# Altium PCB Main Board_V15.PcbDoc (part 5 of 5)
Units mm, origin at the board's own origin, x right, y up, seen from the top; angles counter-clockwise.
Board outline 180 x 140 mm, 2 copper layers (Top Layer, Bottom Layer); 280 components, 221 nets, 891 pads, 235 vias.
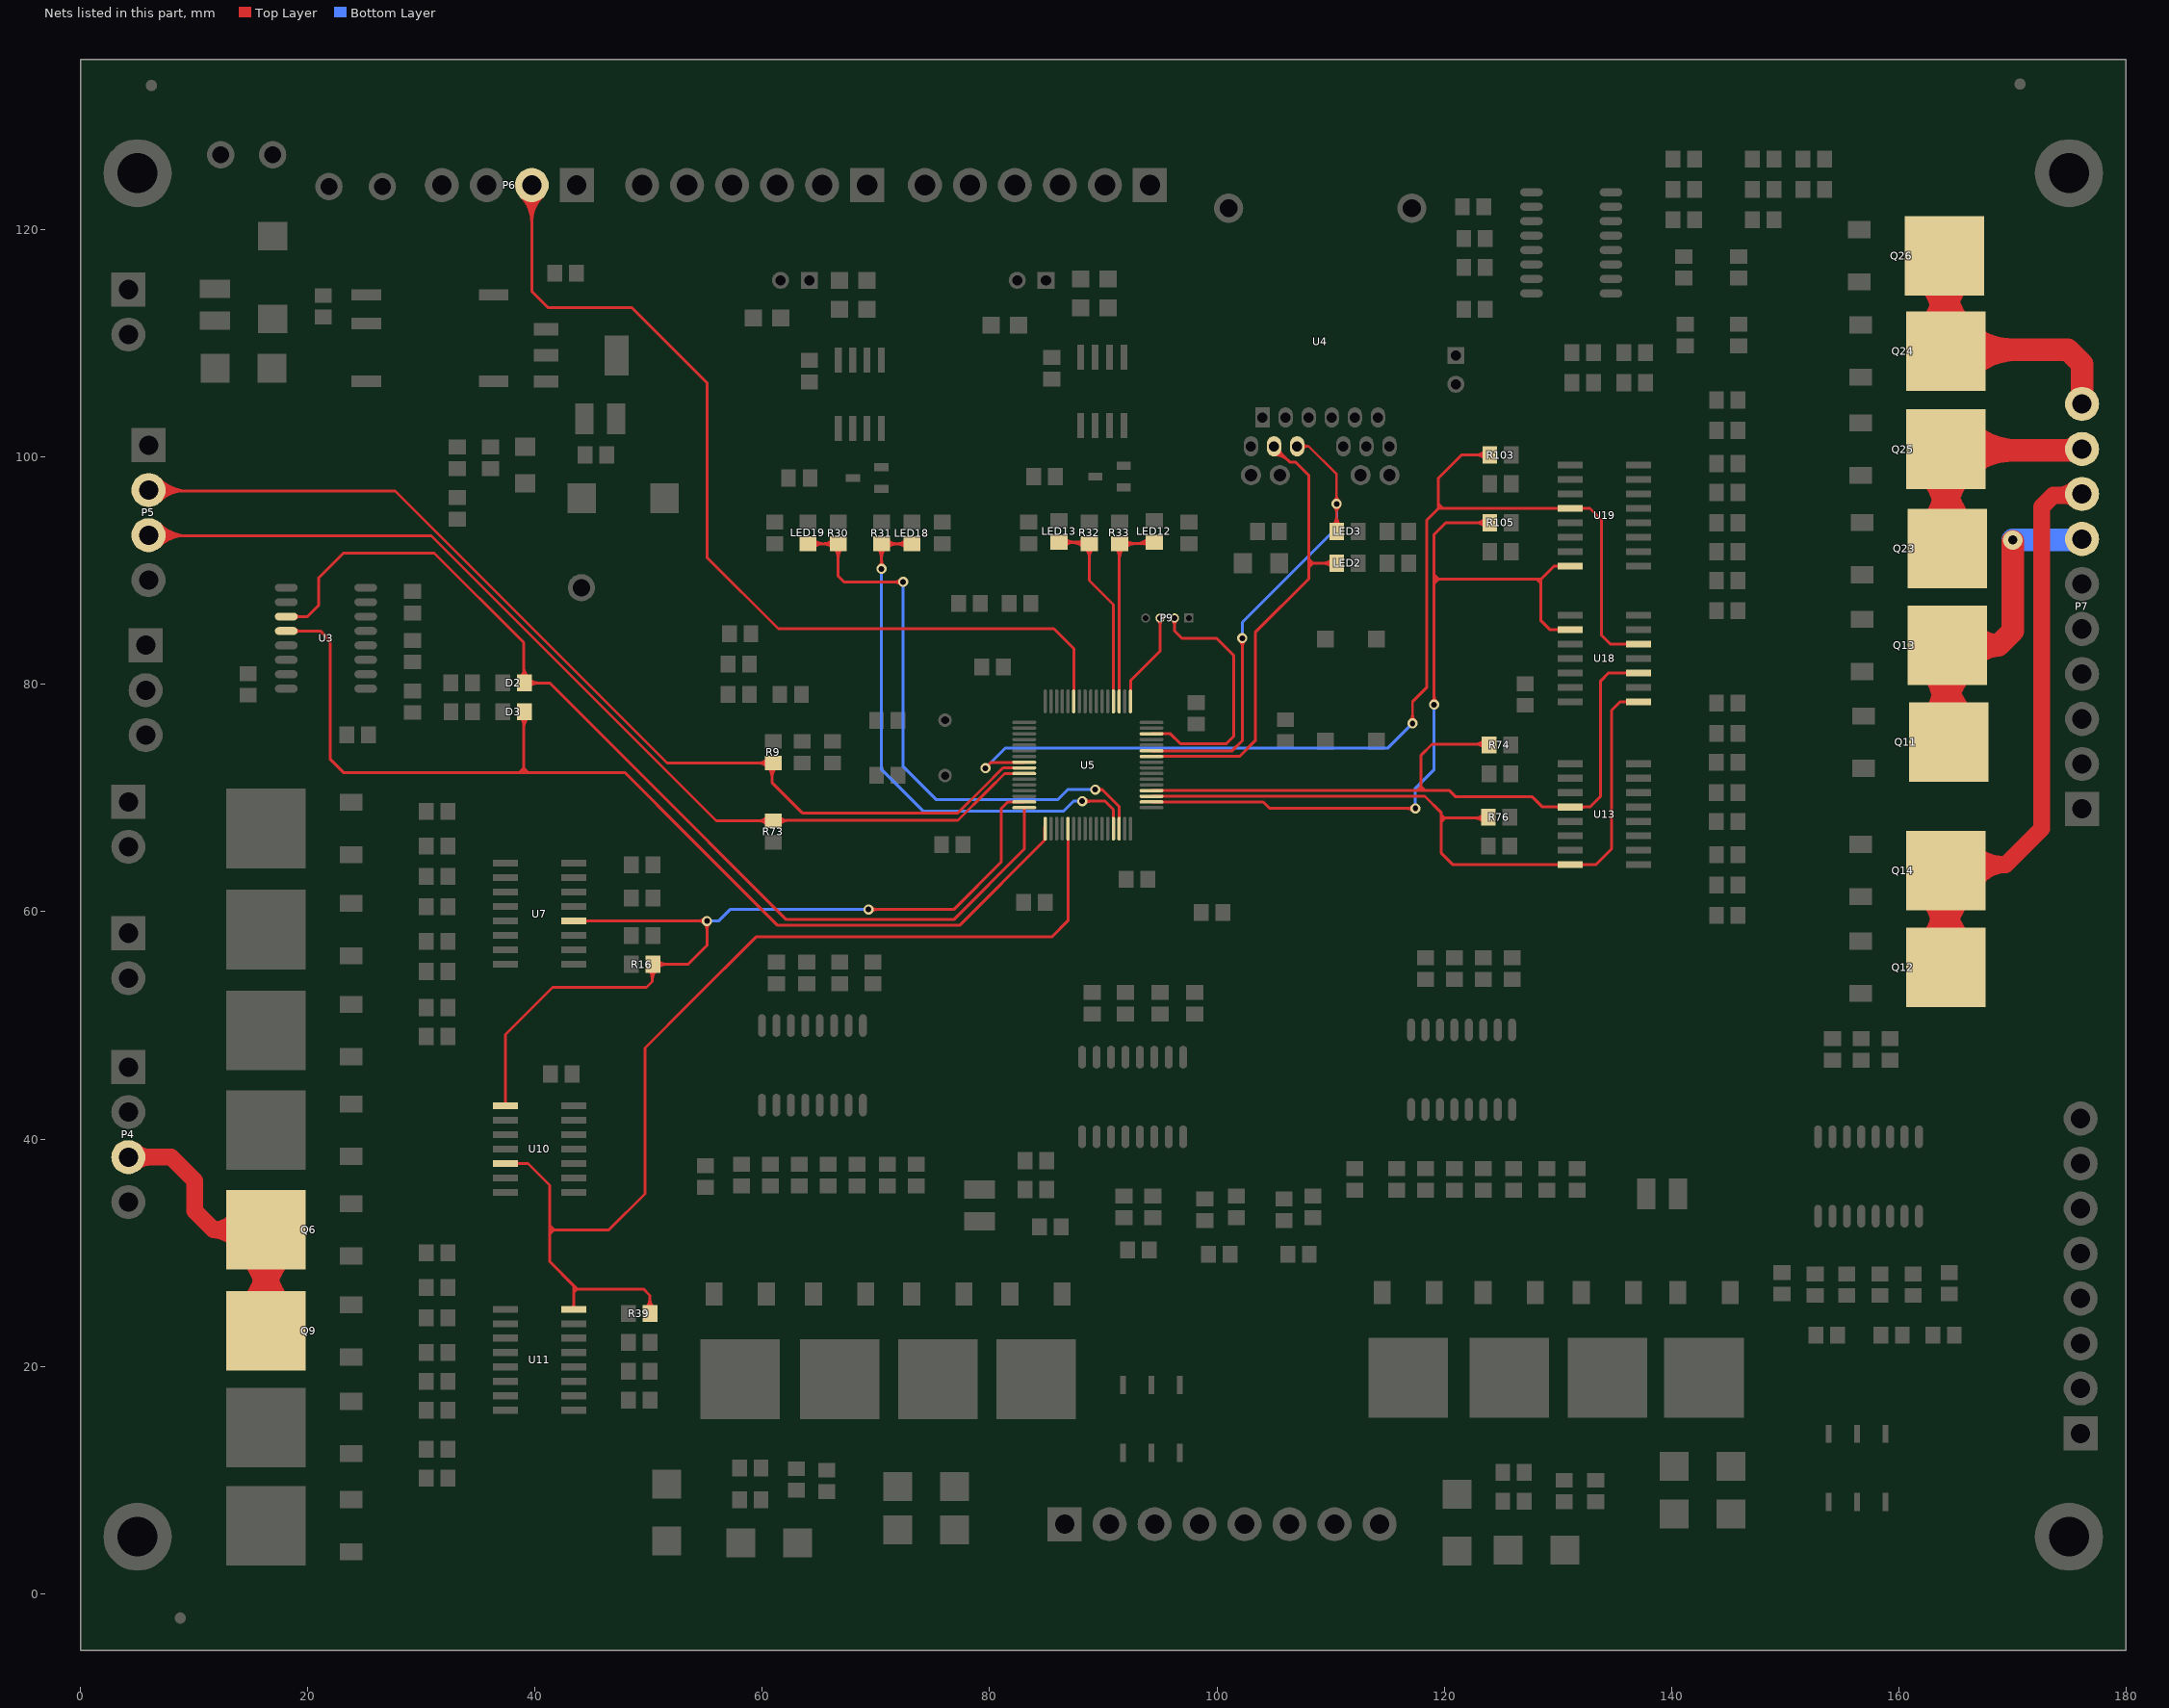
[diagram p5: the nets of this part, all layers, seen from the top]

## Via types
v1: diameter 0.889, hole 0.508, Top Layer to Bottom Layer, 97 vias
v2: diameter 1.7, hole 0.8, Top Layer to Bottom Layer, 84 vias
v3: diameter 1.2, hole 0.7, Top Layer to Bottom Layer, 34 vias
v4: diameter 1.2, hole 0.8, Top Layer to Bottom Layer, 11 vias
v5: diameter 1.4, hole 0.7, Top Layer to Bottom Layer, 5 vias
v6: diameter 1.4, hole 0.8, Top Layer to Bottom Layer, 2 vias
v7: diameter 3.4, hole 3.4, Top Layer to Bottom Layer, 2 vias

## Nets (pads, with @x,y where several pads share a name; then routed paths per layer and width w, separated by ;. In a path a pad name is that pad's centre, name@x,y a point inside that pad or via, vN(x,y) a via of type N, cw(c..) or ccw(c..) an arc to the next point about the centre after c; other vN are vias at no path point) (continued)
RUN1_OUT: R16.2 U5.15 U7.4 U10.1 | length 86.6
  Top Layer w0.254: U10.1@37.264,43.048 ccw(c36.968,43.344) 37.386,43.344 ccw(c37.804,43.344) U10.1@37.508,43.048 ; U10.1@37.386,42.926 37.386,49.197 41.529,53.34 49.784,53.34 50.292,53.848 50.292,55.311 R16.2@50.353,55.372 53.086,55.372 53.467,55.372 55.118,57.023 v1(55.118,59.182) 46.355,59.182 U7.4@43.386,59.182 ; U7.4@44.308,59.06 cw(c44.604,58.764) 44.604,59.182 cw(c44.604,59.6) U7.4@44.308,59.304 ; R16.2@49.983,54.902 cw(c49.238,54.157) 50.292,54.157 ; 50.292,53.862 cw(c51.763,53.862) R16.2@50.723,54.902 ; 50.292,54.475 cw(c51.15,54.475) R16.2@50.543,55.082 ; R16.2@50.723,55.002 cw(c51.616,54.109) 51.616,55.372 cw(c51.616,56.635) R16.2@50.723,55.742 ; v1@54.893,59.407 cw(c54.351,59.949) 54.351,59.182 cw(c54.351,58.415) 54.893,58.957 cw(c54.351,58.415) 55.118,58.415 cw(c55.885,58.415) v1@55.343,58.957 ; v1(69.342,60.198) 76.835,60.198 81.026,64.389 81.026,67.818 81.026,69.088 81.6,69.662 81.971,69.662 U5.15@83.046,69.662 ; v1@69.567,59.973 cw(c70.109,59.431) 70.109,60.198 cw(c70.109,60.965) v1@69.567,60.423
  Bottom Layer w0.254: v1(55.118,59.182) 56.134,59.182 56.388,59.436 57.15,60.198 v1(69.342,60.198)
RUN2: P4.3 Q6.2 Q9.2 | length 54.3
  Top Layer w1.5: P4.3@4.191,38.406 7.949,38.406 10.033,36.322 10.033,33.655 11.684,32.004 ; P4.3@4.721,37.876 cw(c6.002,36.595) 6.002,38.406 cw(c6.002,40.217) P4.3@4.721,38.936 ; Q6.2@13.902,30.687 ccw(c11.684,29.478) 11.684,32.004 ; Q6.2@13.902,33.321 cw(c11.684,34.53) 11.684,32.004 ; Q9.2@14.371,25.059 ccw(c9.677,29.753) 16.316,29.753 ccw(c22.955,29.753) Q9.2@18.261,25.059 ; Q6.2@14.371,30.059 cw(c9.677,25.365) 16.316,25.365 cw(c22.955,25.365) Q6.2@18.261,30.059 ; Q9.2@16.316,23.114 Q6.2@16.316,32.004 11.684,32.004
RUN2_OUT: R39.2 U5.21 U10.5 U11.8 | length 102.8
  Top Layer w0.254: U10.5@37.386,37.846 39.37,37.846 41.275,35.941 41.275,29.21 43.386,27.099 ; U10.5@38.308,37.724 cw(c38.604,37.428) 38.604,37.846 cw(c38.604,38.264) U10.5@38.308,37.968 ; 41.275,31.623 41.656,32.004 ; 41.275,32.004 41.656,32.004 ; 41.275,32.385 41.656,32.004 ; U11.8@43.264,25.141 ccw(c42.968,25.437) 43.386,25.437 ccw(c43.804,25.437) U11.8@43.508,25.141 ; U11.8@43.386,25.019 43.386,27.099 ; 43.386,26.416 43.386,26.495 43.688,26.797 ; 43.386,26.797 43.688,26.797 ; 43.64,26.797 43.688,26.797 ; 43.64,26.845 43.386,27.099 ; R39.2@49.729,25.108 ccw(c48.836,26.001) 50.099,26.001 ccw(c51.362,26.001) R39.2@50.469,25.108 ; R39.2@50.099,24.638 50.099,26.228 49.53,26.797 43.688,26.797 ; U5.21@86.896,67.312 86.896,59.21 85.471,57.785 59.436,57.785 53.721,52.07 49.657,48.006 49.657,35.179 46.482,32.004 41.656,32.004
SCK: P6.2 U5.59 | length 96.5
  Top Layer w0.254: P6.2@38.728,122.981 cw(c36.384,120.637) 39.699,120.637 cw(c43.014,120.637) P6.2@40.67,122.981 ; P6.2@38.908,123.161 cw(c36.997,121.25) 39.699,121.25 cw(c42.401,121.25) P6.2@40.49,123.161 ; P6.2@39.087,123.34 cw(c37.611,121.864) 39.699,121.864 cw(c41.787,121.864) P6.2@40.311,123.34 ; P6.2@39.699,123.952 39.699,114.606 41.148,113.157 48.514,113.157 55.118,106.553 55.118,91.186 61.395,84.909 74.61,84.909 85.598,84.909 85.652,84.909 87.396,83.165 U5.59@87.396,78.512
SPARE1_24V/3A: R74.2 U5.36 U13.4 U18.3 | length 69.4
  Top Layer w0.254: U5.36@94.246,70.662 114.858,70.662 120.473,70.662 121.031,70.104 127.762,70.104 128.651,69.215 U13.4@131.112,69.215 132.842,69.215 133.785,70.158 133.785,80.318 134.493,81.026 U18.3@137.112,81.026 ; 117.602,70.662 117.652,70.662 117.983,70.993 ; 117.983,70.662 117.983,70.993 ; 118.364,70.662 118.314,70.662 117.983,70.993 ; 122.601,74.739 ccw(c122.601,76.127) R74.2@123.582,75.146 ; 122.777,74.739 cw(c122.777,73.601) R74.2@123.582,74.406 ; 123.214,74.739 ccw(c123.214,75.514) R74.2@123.762,74.966 ; R74.2@123.952,74.676 123.888,74.739 118.935,74.739 117.983,73.787 117.983,70.993 ; U13.4@130.19,69.093 ccw(c129.894,68.797) 129.894,69.215 ccw(c129.894,69.633) U13.4@130.19,69.337 ; U13.4@132.034,69.093 cw(c132.33,68.797) 132.33,69.215 cw(c132.33,69.633) U13.4@132.034,69.337 ; U18.3@136.19,80.904 ccw(c135.894,80.608) 135.894,81.026 ccw(c135.894,81.444) U18.3@136.19,81.148
SPARE1_24V/3A_OUT: P7.7 Q11.2 Q13.2 | length 53.4
  Top Layer w2: Q13.2@162.51,81.671 cw(c158.822,77.983) Q11.2@164.038,77.983 ; Q11.2@162.637,76.698 ccw(c159.255,80.08) Q13.2@164.038,80.08 ; Q11.2@164.038,73.025 164.038,81.661 ccw(c170.872,81.661) Q11.2@166.137,76.733 ; Q11.2@164.038,76.824 cw(c170.893,76.824) Q13.2@166.046,81.671 ; Q13.2@164.278,83.439 168.783,83.439 ; Q13.2@166.399,82.116 cw(c168.783,80.63) 168.783,83.439 ; Q13.2@166.399,84.762 ccw(c168.783,86.248) 168.783,83.439 ; v2@170.053,92.583 170.053,84.709 168.783,83.439
  Bottom Layer w2: v2(170.053,92.71) 176.12,92.71 P7.7@176.149,92.681
SPARE2_24V/3A: R76.1 U5.35 U13.8 U18.1 | length 72.9
  Top Layer w0.254: U5.35@94.246,70.162 118.306,70.162 119.761,68.707 ; 119.761,67.945 120.015,68.199 120.015,68.263 ; 122.54,68.263 cw(c122.54,66.875) R76.1@123.521,67.856 ; 122.716,68.263 ccw(c122.716,69.401) R76.1@123.521,68.596 ; 123.153,68.263 cw(c123.153,67.488) R76.1@123.701,68.036 ; R76.1@123.891,68.326 123.828,68.263 120.015,68.263 ; U13.8@130.19,64.013 ccw(c129.894,63.717) 129.894,64.135 ccw(c129.894,64.553) U13.8@130.19,64.257 ; U13.8@131.112,64.135 133.35,64.135 134.747,65.532 134.747,77.724 135.509,78.486 U18.1@137.112,78.486 ; 133.144,64.135 120.777,64.135 119.761,65.151 119.761,68.263 ; U18.1@136.19,78.364 ccw(c135.894,78.068) 135.894,78.486 ccw(c135.894,78.904) U18.1@136.19,78.608 ; 119.761,68.263 120.015,68.263 ; 119.761,68.263 119.761,68.707 ; 119.761,68.707 119.761,68.516 120.015,68.263 ; 132.33,64.135 ccw(c132.33,63.717) 132.034,64.013 cw(c132.33,63.717) 132.33,64.135 ; 132.33,64.135 cw(c132.33,64.553) 132.034,64.257 ccw(c132.33,64.553) 132.33,64.135
SPARE2_24V/3A_OUT: P7.8 Q12.2 Q14.2 | length 80
  Top Layer w1.2: Q14.2@164.151,63.627 Q14.2@164.659,64.135
  Top Layer w1.5: Q14.2@164.659,64.135 169.418,64.135 ; Q14.2@166.133,65.533 ccw(c169.418,68.692) 169.418,64.135 ; Q14.2@166.612,62.399 cw(c169.418,60.999) 169.418,64.135 ; 174.032,96.641 ccw(c174.032,98.885) P7.8@175.619,97.298 ; 174.645,96.641 cw(c174.645,95.264) P7.8@175.619,96.238 ; P7.8@176.149,96.641 173.603,96.641 172.593,95.631 172.593,72.263 172.593,67.31 169.418,64.135
  Top Layer w2: Q12.2@162.383,56.886 ccw(c158.422,60.847) Q14.2@164.024,60.847 ; Q14.2@162.383,61.859 cw(c158.422,57.898) Q12.2@164.024,57.898 ; Q12.2@164.024,57.285 cw(c170.493,57.285) Q14.2@165.919,61.859 ; Q14.2@164.024,61.46 ccw(c170.493,61.46) Q12.2@165.919,56.886 ; Q14.2@164.024,64.77 164.024,56.021 Q12.2@164.038,56.007
SPARE3_24V/3A: R105.2 U5.34 U18.9 U19.8 | length 80.3
  Top Layer w0.254: U5.34@94.246,69.662 104.084,69.662 104.658,69.088 v1(117.475,69.088) ; v1@117.25,68.863 ccw(c116.708,68.321) 116.708,69.088 ccw(c116.708,69.855) v1@117.25,69.313 ; v1@118.901,78.457 ccw(c118.359,78.999) 119.126,78.999 ccw(c119.893,78.999) v1@119.351,78.457 ; v1(119.126,78.232) 119.126,93.218 120.142,94.234 R105.2@124.079,94.234 ; 119.126,88.9 119.507,89.281 ; 119.126,89.281 119.634,89.281 ; 119.126,89.662 119.507,89.281 ; R105.2@123.648,93.864 ccw(c122.755,92.971) 122.755,94.234 ccw(c122.755,95.497) R105.2@123.648,94.604 ; 128.524,88.9 128.143,89.281 ; U18.9@130.19,84.714 ccw(c129.894,84.418) 129.894,84.836 ccw(c129.894,85.254) U18.9@130.19,84.958 ; U19.8@130.19,90.302 ccw(c129.894,90.006) 129.894,90.424 ccw(c129.894,90.842) U19.8@130.19,90.546 ; U18.9@131.112,84.836 129.286,84.836 128.524,85.598 128.524,89.281 ; U19.8@131.191,90.345 U19.8@131.112,90.424 129.667,90.424 128.524,89.281 ; 119.507,89.281 119.634,89.281 ; 119.634,89.281 128.143,89.281 ; 128.143,89.281 128.524,89.281
  Bottom Layer w0.254: v1(117.475,69.088) 117.475,69.469 117.475,70.866 119.126,72.517 v1(119.126,78.232)
SPARE3_24V/3A_OUT: P7.9 Q23.2 Q25.2 | length 52.3
  Top Layer w2: Q25.2@162.383,98.943 cw(c158.115,94.675) 164.151,94.675 cw(c170.187,94.675) 165.919,98.943 cw(c169.921,94.941) 169.921,100.601 ; Q23.2@162.51,93.716 ccw(c158.549,97.677) Q25.2@164.151,97.677 ; Q23.2@164.151,90.297 164.151,100.601 171.086,100.601 P7.9@176.403,100.601 ; Q25.2@164.151,98.29 ccw(c170.62,98.29) Q23.2@166.046,93.716 ; Q25.2@165.919,102.479 ccw(c170.452,107.012) 170.452,100.601 ; 174.635,100.601 ccw(c174.635,102.242) P7.9@175.795,101.082
SPARE4_24V/3A: R103.1 U5.8 U18.5 U19.4 | length 104.8
  Top Layer w0.254: v1(79.629,72.644) 80.137,73.152 83.056,73.152 U5.8@83.046,73.162 ; v1@116.996,76.806 ccw(c116.454,77.348) 117.221,77.348 ccw(c117.988,77.348) v1@117.446,76.806 ; v1(117.221,76.581) 117.221,78.486 118.491,79.756 118.491,94.488 119.507,95.504 ; 119.888,95.504 119.507,95.885 ; R103.1@123.648,99.833 ccw(c122.755,98.94) 122.755,100.203 ccw(c122.755,101.466) R103.1@123.648,100.573 ; R103.1@123.891,100.203 121.538,100.203 119.507,98.172 119.507,96.52 119.507,95.885 ; U19.4@130.19,95.382 ccw(c129.894,95.086) 129.894,95.504 ccw(c129.894,95.922) U19.4@130.19,95.626 ; U19.4@132.034,95.382 cw(c132.33,95.086) 132.33,95.504 cw(c132.33,95.922) U19.4@132.034,95.626 ; U18.5@136.19,83.444 ccw(c135.894,83.148) 135.894,83.566 ccw(c135.894,83.984) U18.5@136.19,83.688 ; U18.5@137.112,83.566 134.62,83.566 133.858,84.328 133.858,94.488 132.842,95.504 U19.4@131.112,95.504 119.507,95.504 ; 119.507,95.504 119.507,95.885
  Bottom Layer w0.254: v1(79.629,72.644) 81.407,74.422 115.062,74.422 v1(117.221,76.581)
SPARE4_24V/3A_OUT: P7.10 Q24.2 Q26.2 | length 52.1
  Top Layer w2: Q26.2@162.256,115.961 cw(c157.955,111.66) Q24.2@164.038,111.66 ; Q24.2@162.383,111.115 ccw(c158.388,115.11) Q26.2@164.038,115.11 ; Q24.2@164.038,111.727 cw(c170.026,111.727) Q26.2@165.792,115.961 ; Q26.2@164.038,115.655 ccw(c170.459,115.655) 165.919,111.115 ccw(c169.88,115.076) 169.88,109.474 ; Q26.2@164.038,116.84 164.038,109.474 171.49,109.474 174.879,109.474 176.149,108.204 P7.10@176.149,104.561 ; Q24.2@165.919,107.579 cw(c170.493,103.005) 170.493,109.474
TCK/SWCLK: P9.3 U5.49 | length 9.5
  Top Layer w0.254: U5.49@92.396,78.512 92.396,80.331 94.996,82.931 P9.3@94.996,85.852 ; P9.3@94.803,85.659 cw(c94.337,85.193) 94.996,85.193 cw(c95.655,85.193) P9.3@95.189,85.659
TMS/SWDIO: P9.2 U5.46 | length 23.2
  Top Layer w0.254: U5.46@94.246,75.662 95.915,75.662 96.774,74.803 100.838,74.803 101.473,75.438 101.473,81.661 101.473,82.55 99.949,84.074 96.901,84.074 96.266,84.709 P9.2@96.266,85.852 ; P9.2@96.073,85.659 cw(c95.607,85.193) 96.266,85.193 cw(c96.925,85.193) P9.2@96.459,85.659
USART1_RX: LED3.2 U4.9 U5.43 | length 51.3
  Top Layer w0.2: U4.9@107.061,100.965 108.077,100.965 ; U4.9@107.337,100.775 cw(c107.697,100.528) 107.697,100.965 cw(c107.697,101.402) U4.9@107.337,101.155 ; U4.9@107.502,100.662 cw(c108.077,100.268) 108.077,100.965 ; U4.9@107.502,101.268 ccw(c108.077,101.662) 108.077,100.965 ; LED3.2@110.153,93.961 ccw(c109.214,94.9) 110.542,94.9 ccw(c111.87,94.9) LED3.2@110.931,93.961 ; LED3.2@110.295,93.819 ccw(c109.697,94.417) 110.542,94.417 ccw(c111.387,94.417) LED3.2@110.789,93.819 ; v1@110.298,95.641 cw(c109.71,95.053) 110.542,95.053 cw(c111.374,95.053) v1@110.786,95.641 ; v1@110.298,96.129 ccw(c109.71,96.717) 110.542,96.717 ccw(c111.374,96.717) v1@110.786,96.129 ; LED3.2@110.542,93.472 110.542,98.5 108.077,100.965
  Top Layer w0.254: U5.43@94.246,74.162 101.34,74.162 102.235,75.057 v1@102.235,83.82 ; v1@102.01,83.849 cw(c101.468,83.307) 102.235,83.307 cw(c103.002,83.307) v1@102.46,83.849
  Bottom Layer w0.254: v1(102.235,84.074) 102.235,85.471 107.061,90.297 110.542,93.778 v1(110.542,95.885)
USART1_TX: LED2.2 U4.8 U5.42 | length 47.7
  Top Layer w0.254: U5.42@94.246,73.662 101.983,73.662 103.378,75.057 103.378,84.582 108.077,89.281 108.077,98.425 106.934,99.568 106.426,99.568 U4.8@105.029,100.965 ; U4.8@105.029,100.203 cw(c105.029,98.363) 106.33,99.664 ; U4.8@105.029,100.457 cw(c105.029,99.231) 105.896,100.098 ; U4.8@105.537,100.711 ccw(c106.15,100.711) 105.717,100.277 ; 108.077,90.297 108.458,90.678 ; 108.077,90.678 108.585,90.678 ; 108.077,91.059 108.458,90.678 ; LED2.2@110.172,90.308 ccw(c109.279,89.415) 109.279,90.678 ccw(c109.279,91.941) LED2.2@110.172,91.048 ; LED2.2@110.542,90.678 108.585,90.678 ; 108.458,90.678 108.585,90.678
USART2_RX: D3.2 U3.12 U5.17 | length 97.9
  Top Layer w0.254: U3.12@18.09,84.709 21.082,84.709 21.971,83.82 21.971,77.597 21.971,73.406 23.114,72.263 47.879,72.263 53.552,66.59 56.515,63.627 61.341,58.801 64.516,58.801 77.343,58.801 84.836,66.294 U5.17@84.836,67.437 ; U3.12@18.898,84.551 cw(c19.278,84.171) 19.278,84.709 cw(c19.278,85.247) U3.12@18.898,84.867 ; 38.481,72.263 38.608,72.263 38.989,72.644 ; D3.2@38.68,77.127 cw(c37.935,76.382) 38.989,76.382 ; 38.989,72.263 38.989,72.644 ; 38.989,76.087 cw(c40.46,76.087) D3.2@39.42,77.127 ; 38.989,76.7 cw(c39.847,76.7) D3.2@39.24,77.307 ; D3.2@38.989,77.663 38.989,72.644 ; 39.37,72.263 38.989,72.644
USART2_TX: D2.2 U3.11 U5.16 | length 95.9
  Top Layer w0.254: U3.11@18.09,85.979 19.939,85.979 20.955,86.995 20.955,89.408 23.114,91.567 31.115,91.567 38.989,83.693 D2.2@38.989,80.137 ; U3.11@18.898,85.821 cw(c19.278,85.441) 19.278,85.979 cw(c19.278,86.517) U3.11@18.898,86.137 ; D2.2@38.68,80.607 ccw(c37.935,81.352) 38.989,81.352 ; 38.989,81.034 ccw(c39.847,81.034) D2.2@39.24,80.427 ; 38.989,81.647 ccw(c40.46,81.647) D2.2@39.42,80.607 ; D2.2@39.177,80.01 D2.2@39.05,80.137 41.275,80.137 43.815,77.597 48.387,73.025 62.103,59.309 76.835,59.309 83.046,65.52 U5.16@83.046,69.162 ; D2.2@39.42,79.767 cw(c40.313,78.874) 40.313,80.137 cw(c40.313,81.4) D2.2@39.42,80.507
USART3_RX: LED19.2 R30.2 U5.30 | length 59.6
  Top Layer w0.254: LED19.2@64.008,92.395 64.022,92.381 R30.2@66.675,92.381 66.675,89.535 67.183,89.027 v1(72.39,89.027) ; LED19.2@64.298,92.585 ccw(c64.791,93.078) 64.791,92.381 ; LED19.2@64.478,92.025 cw(c65.337,91.166) 65.337,92.381 ; LED19.2@64.478,92.765 ccw(c65.404,93.691) 65.404,92.381 ; R30.2@66.205,92.011 ccw(c65.312,91.118) 65.312,92.381 ccw(c65.312,93.644) R30.2@66.205,92.751 ; R30.2@66.305,92.011 cw(c65.412,91.118) 66.675,91.118 cw(c67.938,91.118) R30.2@67.045,92.011 ; v1@72.165,88.802 ccw(c71.623,88.26) 71.623,89.027 ccw(c71.623,89.794) v1@72.165,89.252 ; v1@89.154,70.739 89.916,70.739 ; v1@89.535,70.549 cw(c89.916,70.263) 89.916,70.739 ; v1@89.535,70.929 ccw(c89.916,71.215) 89.916,70.739 ; U5.30@91.396,67.312 91.396,69.259 89.916,70.739
  Bottom Layer w0.254: v1(72.39,89.027) 72.39,72.771 75.311,69.85 85.979,69.85 86.868,70.739 v1(89.281,70.739)
USART3_TX: LED18.2 R31.2 U5.29 | length 55.2
  Top Layer w0.254: R31.2@70.115,92.011 cw(c69.222,91.118) 70.485,91.118 cw(c71.748,91.118) R31.2@70.855,92.011 ; v1@70.26,90.395 ccw(c69.718,90.937) 70.485,90.937 ccw(c71.252,90.937) v1@70.71,90.395 ; v1(70.485,90.17) R31.2@70.485,92.381 LED18.2@73.152,92.381 ; R31.2@70.955,92.011 cw(c71.848,91.118) 71.848,92.381 cw(c71.848,93.644) R31.2@70.955,92.751 ; LED18.2@72.682,92.011 ccw(c71.789,91.118) 71.789,92.381 ccw(c71.789,93.644) LED18.2@72.682,92.751 ; v1(88.138,69.723) 90.17,69.723 90.896,68.997 U5.29@90.896,67.312 ; v1@88.363,69.498 cw(c88.905,68.956) 88.905,69.723 cw(c88.905,70.49) v1@88.363,69.948 ; U5.29@90.873,67.335 U5.29@90.896,67.312 ; U5.29@90.919,67.289 U5.29@90.896,67.312
  Bottom Layer w0.254: v1(70.485,90.17) 70.485,72.517 70.612,72.39 74.168,68.834 86.487,68.834 87.376,69.723 v1(88.138,69.723)
USART4_RX: LED13.2 R32.2 U5.52 | length 24.5
  Top Layer w0.254: LED13.2@86.36,92.522 89.267,92.522 R32.2@89.281,92.536 ; LED13.2@86.576,92.152 cw(c87.469,91.259) 87.469,92.522 cw(c87.469,93.785) LED13.2@86.576,92.892 ; 87.104,92.522 cw(c87.104,90.826) R32.2@88.303,92.025 ; R32.2@88.303,92.765 cw(c87.717,93.351) 87.717,92.522 cw(c87.717,91.439) R32.2@88.483,92.205 ; R32.2@88.403,92.025 cw(c87.51,91.132) 88.773,91.132 cw(c90.036,91.132) R32.2@89.143,92.025 ; R32.2@88.773,92.395 88.773,89.154 90.896,87.031 90.896,86.904 U5.52@90.896,78.512
USART4_TX: LED12.2 R33.2 U5.51 | length 23.9
  Top Layer w0.254: R33.2@91.07,92.025 cw(c90.228,91.183) 91.419,91.183 ; U5.51@91.396,78.512 91.419,78.535 R33.2@91.419,92.395 ; 91.419,91.082 cw(c92.753,91.082) R33.2@91.81,92.025 ; 91.419,91.695 cw(c92.14,91.695) R33.2@91.63,92.205 ; R33.2@91.44,92.395 LED12.2@94.107,92.395 ; R33.2@91.91,92.025 cw(c92.803,91.132) 92.803,92.395 cw(c92.803,93.658) R33.2@91.91,92.765 ; 92.819,92.395 ccw(c92.819,94.091) LED12.2@94.018,92.892 ; LED12.2@94.018,92.152 ccw(c93.432,91.566) 93.432,92.395 ccw(c93.432,93.478) LED12.2@94.198,92.712
"VIBRATION SENSOR1": P5.2 R9.2 U5.9 | length 110.2
  Top Layer w0.254: P5.2@5.969,97.028 17.584,97.028 26.924,97.028 27.686,97.028 51.623,73.091 R9.2@60.96,73.091 ; P5.2@6.401,97.535 ccw(c7.625,98.759) 7.625,97.028 ; P5.2@6.581,96.491 cw(c7.876,95.196) 7.876,97.028 ; P5.2@6.581,97.715 ccw(c8.238,99.372) 8.238,97.028 ; P5.2@6.76,96.312 cw(c8.489,94.583) 8.489,97.028 ; P5.2@6.76,97.894 ccw(c8.852,99.986) 8.852,97.028 ; P5.2@6.94,96.132 cw(c9.103,93.969) 9.103,97.028 ; P5.2@6.94,98.074 ccw(c9.465,100.599) 9.465,97.028 ; R9.2@60.49,73.461 cw(c59.597,74.354) 59.597,73.091 cw(c59.597,71.828) 60.49,72.721 cw(c59.663,71.894) 60.833,71.894 ; 60.833,71.763 cw(c62.188,71.763) R9.2@61.23,72.721 ; 60.833,72.376 cw(c61.575,72.376) R9.2@61.05,72.901 ; R9.2@60.833,73.091 60.833,71.374 63.509,68.698 77.207,68.698 79.399,70.89 81.171,72.662 U5.9@83.046,72.662
"VIBRATION SENSOR2": P5.3 R73.2 U5.10 | length 107.8
  Top Layer w0.254: P5.3@5.969,93.091 27.94,93.091 30.861,93.091 55.946,68.006 R73.2@60.96,68.006 ; P5.3@6.401,93.575 ccw(c7.57,94.744) 7.57,93.091 ; P5.3@6.581,92.531 cw(c7.932,91.18) 7.932,93.091 ; P5.3@6.581,93.755 ccw(c8.183,95.357) 8.183,93.091 ; P5.3@6.76,92.352 cw(c8.545,90.567) 8.545,93.091 ; P5.3@6.76,93.934 ccw(c8.796,95.97) 8.796,93.091 ; P5.3@6.94,92.172 cw(c9.158,89.954) 9.158,93.091 ; P5.3@6.94,94.114 ccw(c9.409,96.583) 9.409,93.091 ; R73.2@60.49,67.636 ccw(c59.597,66.743) 59.597,68.006 ccw(c59.597,69.269) R73.2@60.49,68.376 ; R73.2@60.96,68.053 77.089,68.053 77.204,68.053 79.853,70.702 81.313,72.162 U5.10@83.046,72.162 ; R73.2@61.25,67.816 cw(c61.823,67.243) 61.823,68.053 ; R73.2@61.43,67.636 cw(c62.436,66.63) 62.436,68.053 ; R73.2@61.43,68.376 ccw(c62.209,69.155) 62.209,68.053
pads on no net: Designator41.0 Designator41.1 Designator42.0 Designator42.1 Designator43.0 Designator43.1 P12.8 P13.8 U1.8 U3.7 U3.8 U3.9 U3.10 U4.1 U4.2 U4.3 U4.4 U4.5 U4.17 U5.3 U5.4 U5.40 U5.44 U5.45 U5.50 U5.53 U5.54 U10.10 U10.12 U17.7 U17.8 U17.9 U17.10 U18.10 U18.12
copper on no net:
  other v7: 102.743,118.745 115.443,118.745

## Polygon pours and split planes (outlines as drawn)
24V0 on Bottom Layer "24V_GND" (hatched 90Degree grid 0.308 track 0.203, remove dead copper, pour order 4): 88.9,130 88.9,118.11 30.861,118.11 30.099,118.872 18.415,107.188 15.113,107.188 15.113,72.517 15.494,72.136 15.621,72.009 30.353,72.009 30.353,9.779 52.832,9.779 52.07,10.541 52.07,41.783 52.197,41.91 53.213,42.926 141.351,42.926 141.478,42.926 154.305,30.099 155.194,30.988 166.751,30.988 166.751,49.022 164.084,51.689 163.957,51.816 149.098,51.816 149.098,52.07 145.288,55.88 145.669,56.261 145.669,104.267 131.699,104.267 130.429,105.537 127.381,108.585 128.143,109.347 128.143,130 167.561,130 167.386,129.825 167.386,117.094 179.873,117.094 180,116.967 180,10.16 166.497,10.16 166.243,10.414 166.37,10.287 166.37,0 10.922,0 10.922,11.811 0.254,11.811 0,11.557 0,117.348 11.938,117.348 12.065,117.475 12.065,129.794 88.821,129.794 89.027,130
GND on Bottom Layer "GND" (hatched 90Degree grid 0.308 track 0.203, remove dead copper, pour order 2): 98.552,130 98.425,129.873 98.425,115.824 31.496,115.824 30.734,115.062 17.653,101.981 17.907,101.727 17.907,77.089 35.052,77.089 35.179,76.962 33.782,75.565 33.782,12.319 48.387,12.319 49.657,13.589 49.657,45.593 142.748,45.593 143.637,44.704 154.686,33.655 164.592,33.655 164.592,46.355 164.465,46.482 161.925,49.022 161.163,49.784 147.955,49.784 142.24,55.499 142.24,100.965 128.651,100.965 127.381,102.235 124.587,105.029 124.587,130 98.552,130

## Keep-outs
Keep-Out Layer:
  lines w0.1: 0,0 180,0 ; 0,130 180,130 ; 0,-5 0,135 180,135 180,-5 0,-5

## Silkscreen, mask and mechanical layers (free items; w line width, h text height)
Top Overlay:
  text "24V_GND" at 11.176,123.444 h2.03
  text "GND" at 20.32,120.396 h2.03
  text "GND" at 25.146,120.269 h2.03
  text "3.3V" at 42.291,84.963 h2.03
  text "Main Board_V15.00" at 29.845,1.27 h2.03
Mechanical 1:
  circle w0.1: c181.178,6.096 r0.813
  lines w0.1: -8.001,0 0,0 0,-16.383 ; -7.874,130 0,130 ; -4.953,5 5,5 5,-11.049 ; -3.397,125 5,125 ; 175,-6.979 175,5 ; 176.784,4.699 188.087,4.699 192.151,8.763 ; 180,-15.494 180,0 ; 180.34,5.461 181.864,6.985
  lines w0.254: -8.255,1.524 -7.747,0 ; -8.255,128.476 -7.747,130 ; -8.001,0 -7.493,0 ; -8.001,130 -7.493,130 ; -7.747,59.261 -7.747,0 ; -7.747,70.739 -7.747,130 ; -7.239,1.524 -7.747,0 ; -7.239,128.476 -7.747,130 ; -5.461,-1.524 -4.953,0 ; -5.461,6.524 -4.953,5 ; -5.207,0 -4.699,0 ; -5.207,5 -4.699,5 ; -4.953,-2.54 -4.953,0 ; -4.953,7.54 -4.953,5 ; -4.445,-1.524 -4.953,0 ; -4.445,6.524 -4.953,5 ; -3.556,6.524 -3.048,5 ; -3.556,123.476 -3.048,125 ; -3.302,5 -2.794,5 ; -3.302,125 -2.794,125 ; -3.048,59.261 -3.048,5 ; -3.048,70.739 -3.048,125 ; -2.54,-9.779 0,-9.779 ; -2.54,6.524 -3.048,5 ; -2.54,123.476 -3.048,125 ; -1.524,-10.287 0,-9.779 ; -1.524,-9.271 0,-9.779 ; 0,-10.033 0,-9.525 ; 0.127,-13.716 0.127,-13.208 ; 1.651,-13.97 0.127,-13.462 ; 1.651,-12.954 0.127,-13.462 ; 5,-10.033 5,-9.525 ; 5.08,-6.35 5.08,-5.842 ; 6.524,-10.287 5,-9.779 ; 6.524,-9.271 5,-9.779 ; 6.604,-6.604 5.08,-6.096 ; 6.604,-5.588 5.08,-6.096 ; 7.54,-9.779 5,-9.779 ; 84.341,-6.096 5.08,-6.096 ; 84.388,-13.462 0.127,-13.462 ; 95.819,-6.096 175.08,-6.096 ; 95.866,-13.462 180.127,-13.462 ; 173.556,-6.604 175.08,-6.096 ; 173.556,-5.588 175.08,-6.096 ; 175.08,-6.35 175.08,-5.842 ; 178.603,-13.97 180.127,-13.462 ; 178.603,-12.954 180.127,-13.462 ; 180.127,-13.716 180.127,-13.208
  text "130 (mm)" at -6.833,59.515 h1.52 r90
  text "120 (mm)" at -2.134,59.515 h1.52 r90
  text "3.5mm" at 182.245,5.461 h1.52
  text "5 (mm)" at -1.296,-1.588 h1.52 r90
  text "170 (mm)" at 84.595,-7.01 h1.52
  text "5 (mm)" at -1.588,-13.436 h1.52
  text "180 (mm)" at 84.642,-14.376 h1.52

## Text inside footprints (layer, text, board x,y; h text height)
C2: Top Overlay "+" at 15.113,110.363 h0.8 r90
C4: Top Overlay "+" at 38.354,103.835 h0.8 r270
C6: Top Overlay "+" at 41.656,94.488 h0.8
C13: Top Overlay "+" at 108.407,91.44 h0.8 r180
Q3: Top Overlay "G" at 26.531,47.004 h0.8 r90; Top Overlay "D" at 26.531,49.29 h0.8 r90; Top Overlay "S" at 26.531,51.576 h0.8 r90
Q4: Top Overlay "G" at 26.531,64.784 h0.8 r90; Top Overlay "D" at 26.531,67.07 h0.8 r90; Top Overlay "S" at 26.531,69.356 h0.8 r90
Q5: Top Overlay "G" at 26.531,55.894 h0.8 r90; Top Overlay "D" at 26.531,58.18 h0.8 r90; Top Overlay "S" at 26.531,60.466 h0.8 r90
Q6: Top Overlay "G" at 26.531,29.464 h0.8 r90; Top Overlay "D" at 26.531,31.75 h0.8 r90; Top Overlay "S" at 26.531,34.036 h0.8 r90
Q7: Top Overlay "G" at 26.531,12.065 h0.8 r90; Top Overlay "D" at 26.531,14.351 h0.8 r90; Top Overlay "S" at 26.531,16.637 h0.8 r90
Q8: Top Overlay "G" at 26.531,38.241 h0.8 r90; Top Overlay "D" at 26.531,40.527 h0.8 r90; Top Overlay "S" at 26.531,42.813 h0.8 r90
Q9: Top Overlay "G" at 26.531,20.574 h0.8 r90; Top Overlay "D" at 26.531,22.86 h0.8 r90; Top Overlay "S" at 26.531,25.146 h0.8 r90
Q10: Top Overlay "G" at 26.531,3.429 h0.8 r90; Top Overlay "D" at 26.531,5.715 h0.8 r90; Top Overlay "S" at 26.531,8.001 h0.8 r90
Q11: Top Overlay "G" at 154.19,77.47 h0.8 r270; Top Overlay "D" at 154.19,75.184 h0.8 r270; Top Overlay "S" at 154.19,72.898 h0.8 r270
Q12: Top Overlay "G" at 153.936,57.658 h0.8 r270; Top Overlay "D" at 153.936,55.372 h0.8 r270; Top Overlay "S" at 153.936,53.086 h0.8 r270
Q13: Top Overlay "G" at 154.063,85.979 h0.8 r270; Top Overlay "D" at 154.063,83.693 h0.8 r270; Top Overlay "S" at 154.063,81.407 h0.8 r270
Q14: Top Overlay "G" at 153.936,66.167 h0.8 r270; Top Overlay "D" at 153.936,63.881 h0.8 r270; Top Overlay "S" at 153.936,61.595 h0.8 r270
Q15: Top Overlay "G" at 77.978,29.071 h0.8 r180; Top Overlay "D" at 75.692,29.071 h0.8 r180; Top Overlay "S" at 73.406,29.071 h0.8 r180
Q16: Top Overlay "G" at 136.906,29.198 h0.8 r180; Top Overlay "D" at 134.62,29.198 h0.8 r180; Top Overlay "S" at 132.334,29.198 h0.8 r180
Q17: Top Overlay "G" at 86.614,29.071 h0.8 r180; Top Overlay "D" at 84.328,29.071 h0.8 r180; Top Overlay "S" at 82.042,29.071 h0.8 r180
Q18: Top Overlay "G" at 145.415,29.198 h0.8 r180; Top Overlay "D" at 143.129,29.198 h0.8 r180; Top Overlay "S" at 140.843,29.198 h0.8 r180
Q19: Top Overlay "G" at 69.342,29.071 h0.8 r180; Top Overlay "D" at 67.056,29.071 h0.8 r180; Top Overlay "S" at 64.77,29.071 h0.8 r180
Q20: Top Overlay "G" at 60.579,29.071 h0.8 r180; Top Overlay "D" at 58.293,29.071 h0.8 r180; Top Overlay "S" at 56.007,29.071 h0.8 r180
Q21: Top Overlay "G" at 128.27,29.198 h0.8 r180; Top Overlay "D" at 125.984,29.198 h0.8 r180; Top Overlay "S" at 123.698,29.198 h0.8 r180
Q22: Top Overlay "G" at 119.38,29.198 h0.8 r180; Top Overlay "D" at 117.094,29.198 h0.8 r180; Top Overlay "S" at 114.808,29.198 h0.8 r180
Q23: Top Overlay "G" at 154.063,94.488 h0.8 r270; Top Overlay "D" at 154.063,92.202 h0.8 r270; Top Overlay "S" at 154.063,89.916 h0.8 r270
Q24: Top Overlay "G" at 153.936,111.887 h0.8 r270; Top Overlay "D" at 153.936,109.601 h0.8 r270; Top Overlay "S" at 153.936,107.315 h0.8 r270
Q25: Top Overlay "G" at 153.936,103.251 h0.8 r270; Top Overlay "D" at 153.936,100.965 h0.8 r270; Top Overlay "S" at 153.936,98.679 h0.8 r270
Q26: Top Overlay "G" at 153.809,120.269 h0.8 r270; Top Overlay "D" at 153.809,117.983 h0.8 r270; Top Overlay "S" at 153.809,115.697 h0.8 r270